# Altium PCB PCB.PcbDoc
Units mm, origin at the board's own origin, x right, y up, seen from the top; angles counter-clockwise.
Board outline 69.89 x 66.99 mm, 2 copper layers (Top Layer, Bottom Layer), stack 1.56 mm thick; 37 components, 20 nets, 112 pads, 39 vias.
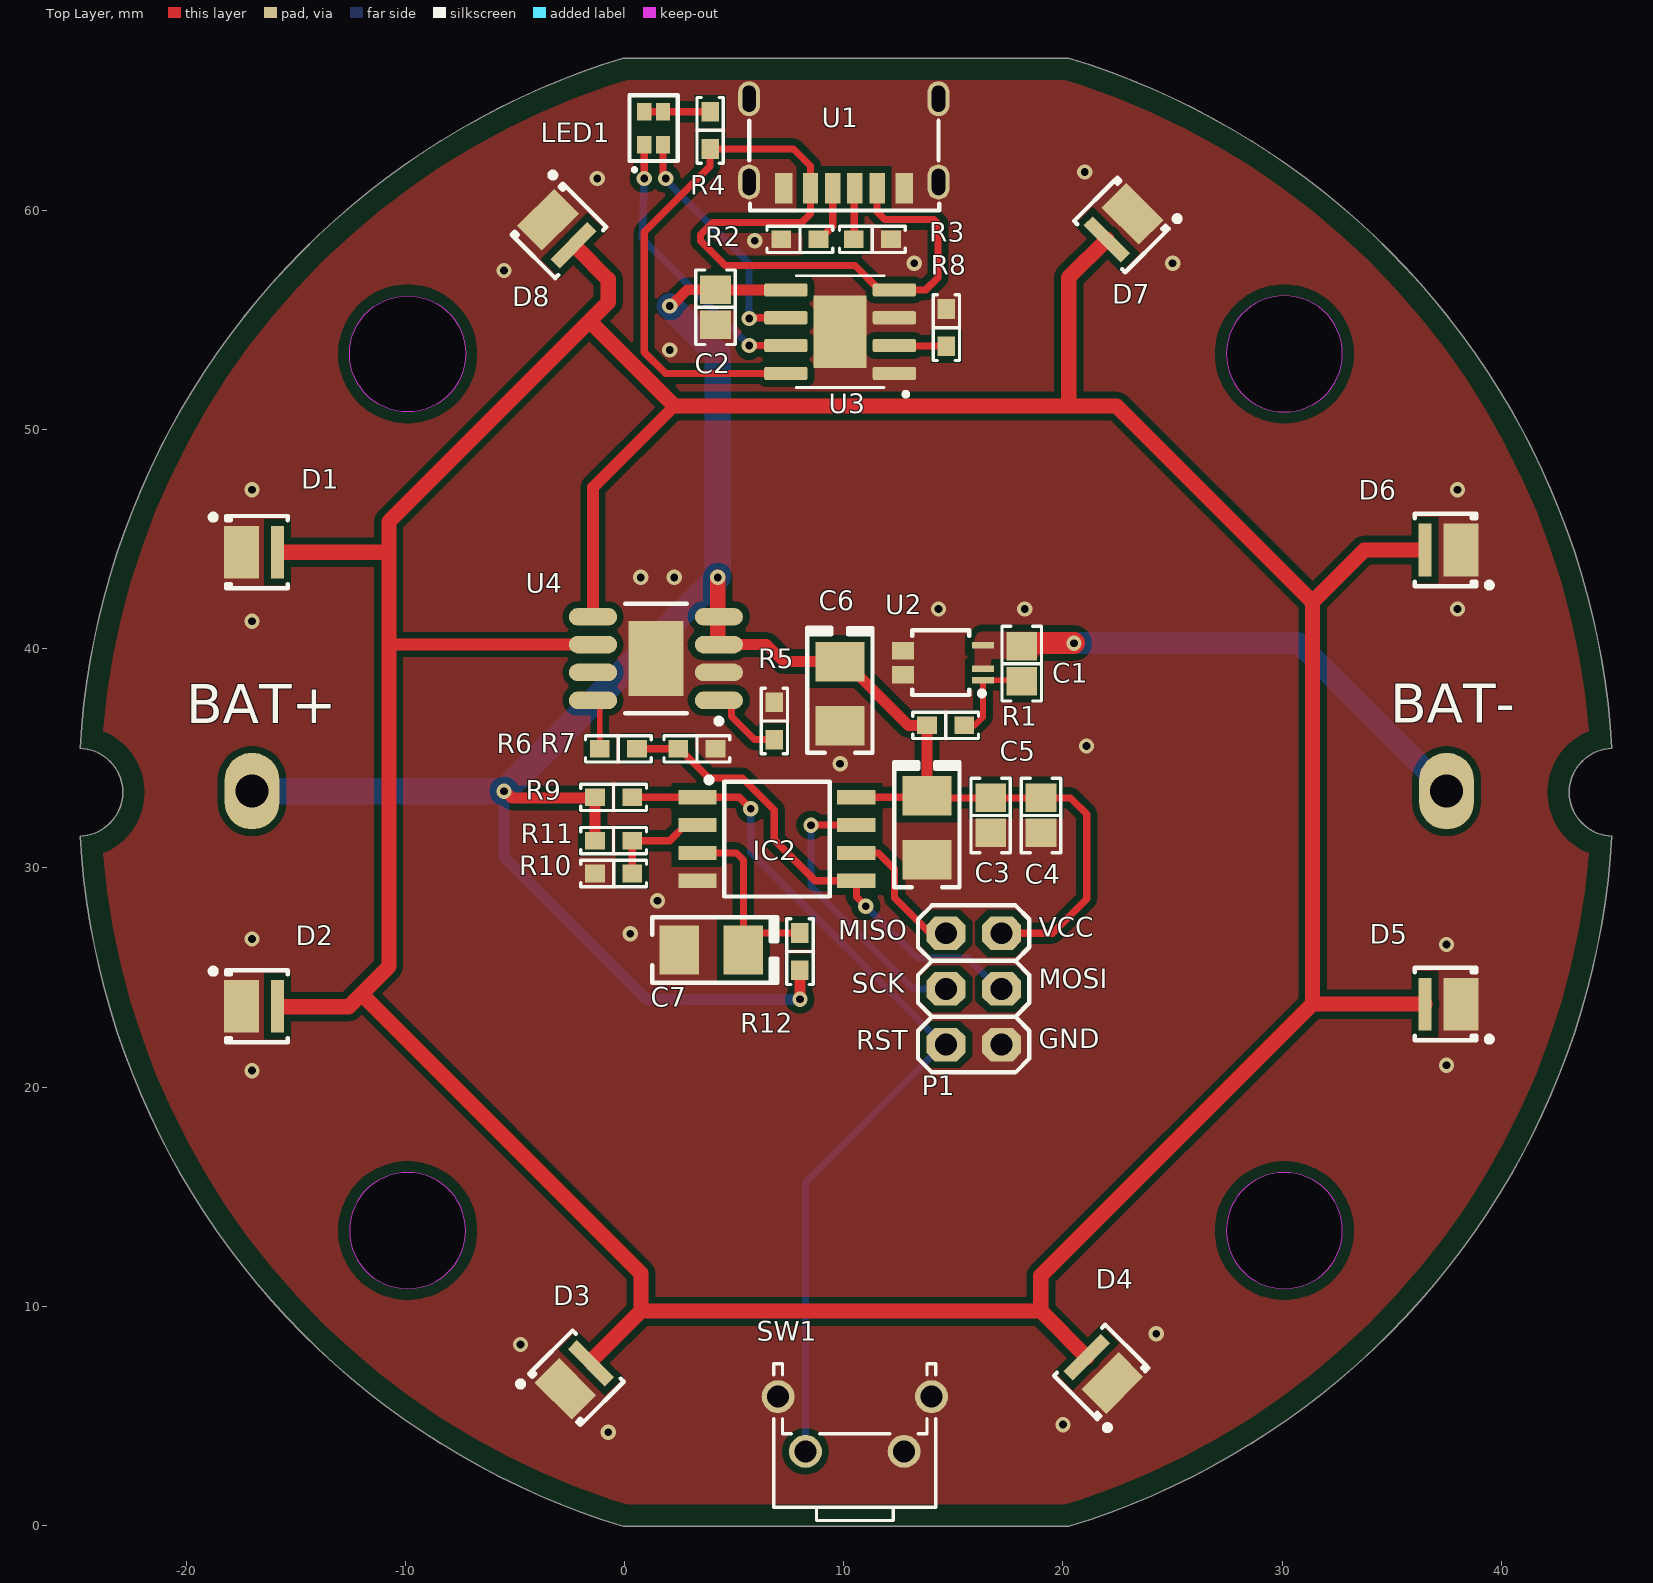
[diagram p0: Top Layer view]
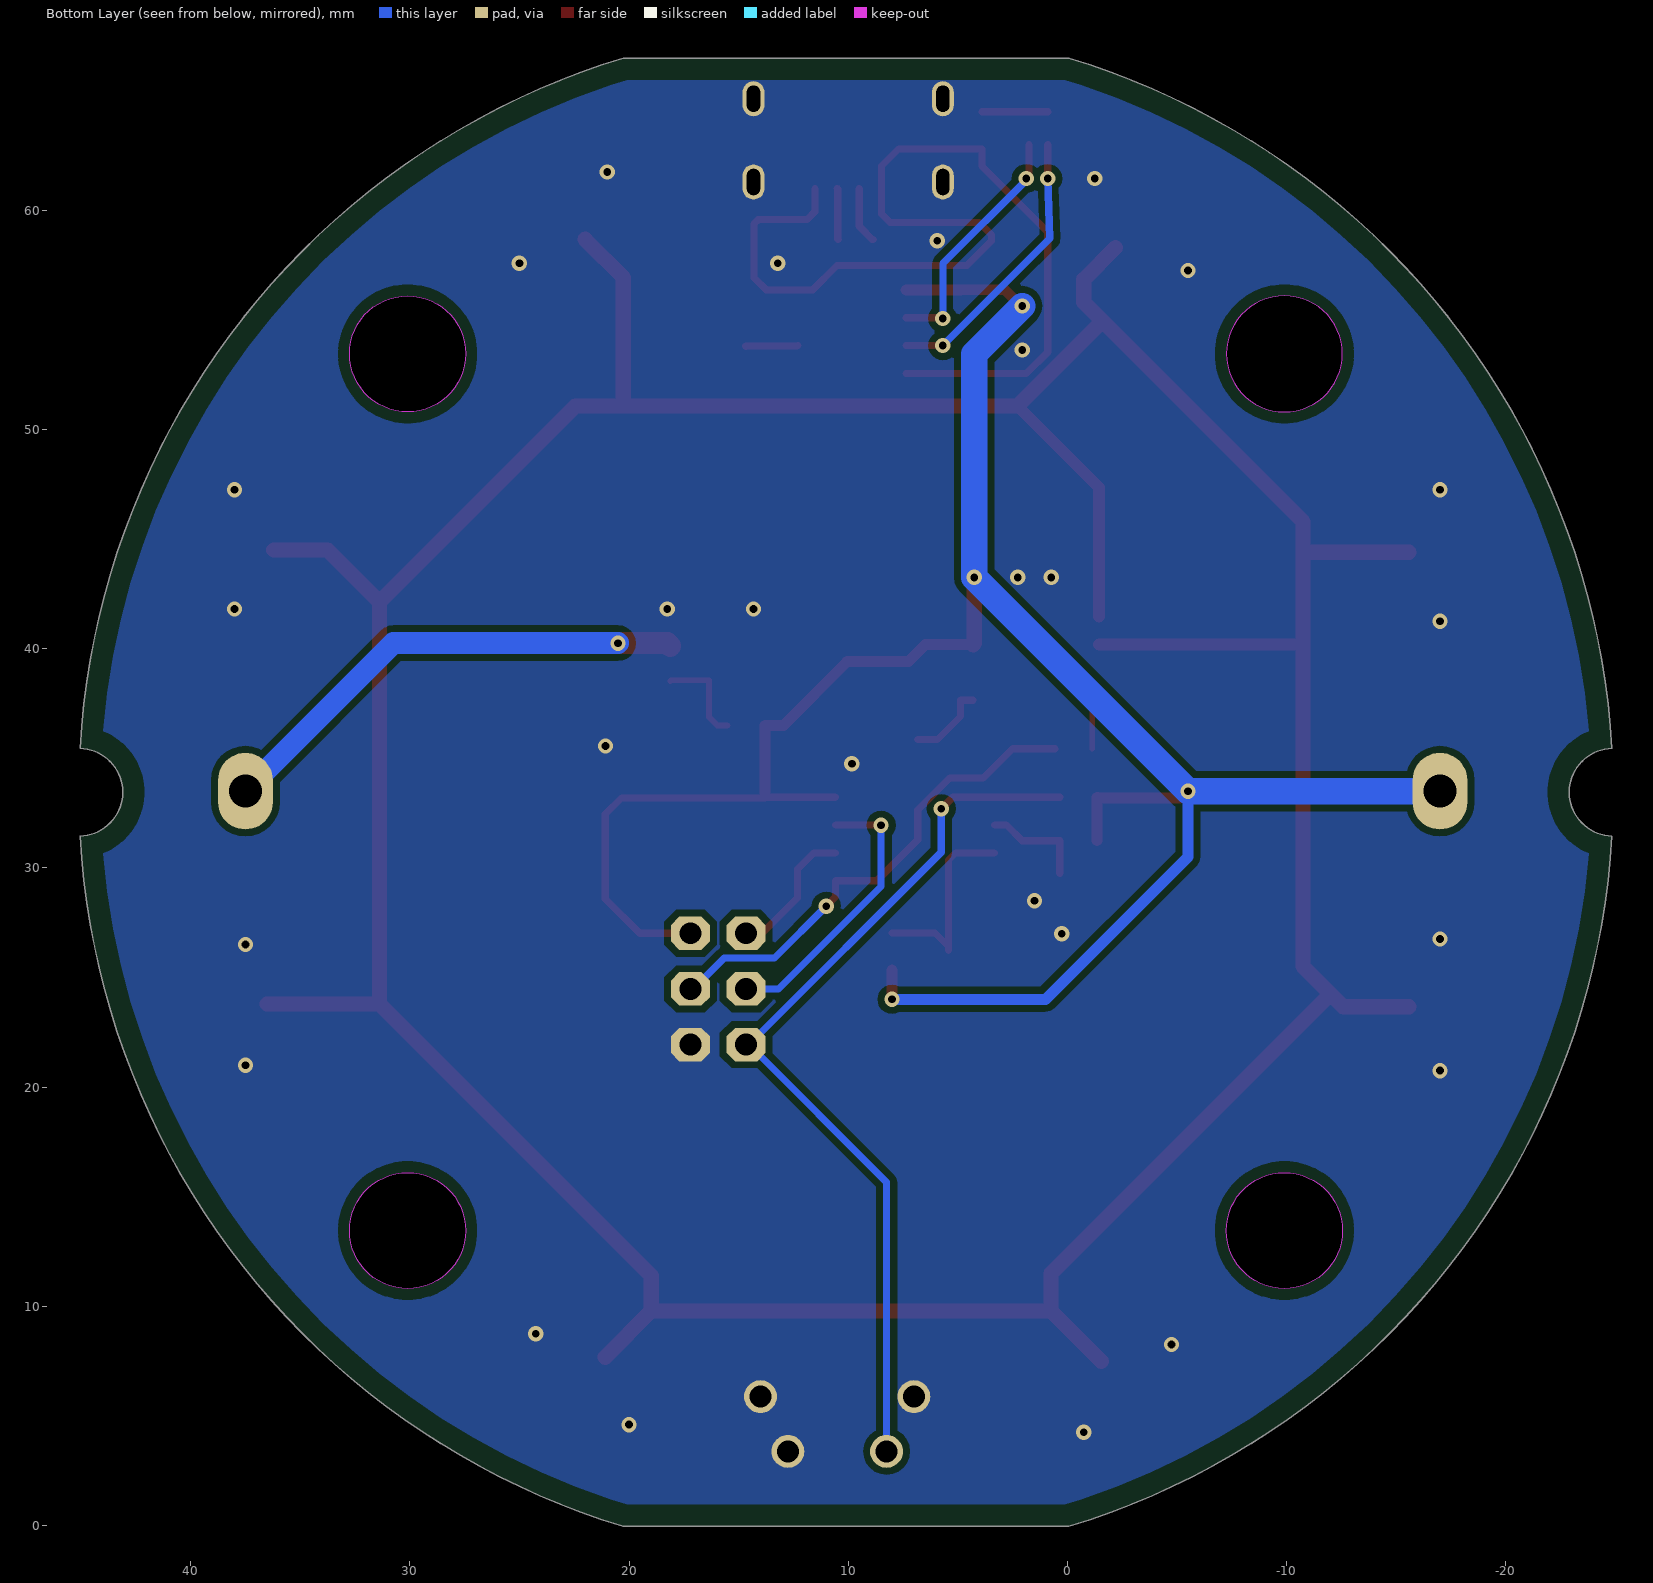
[diagram p1: Bottom Layer view, seen from below]
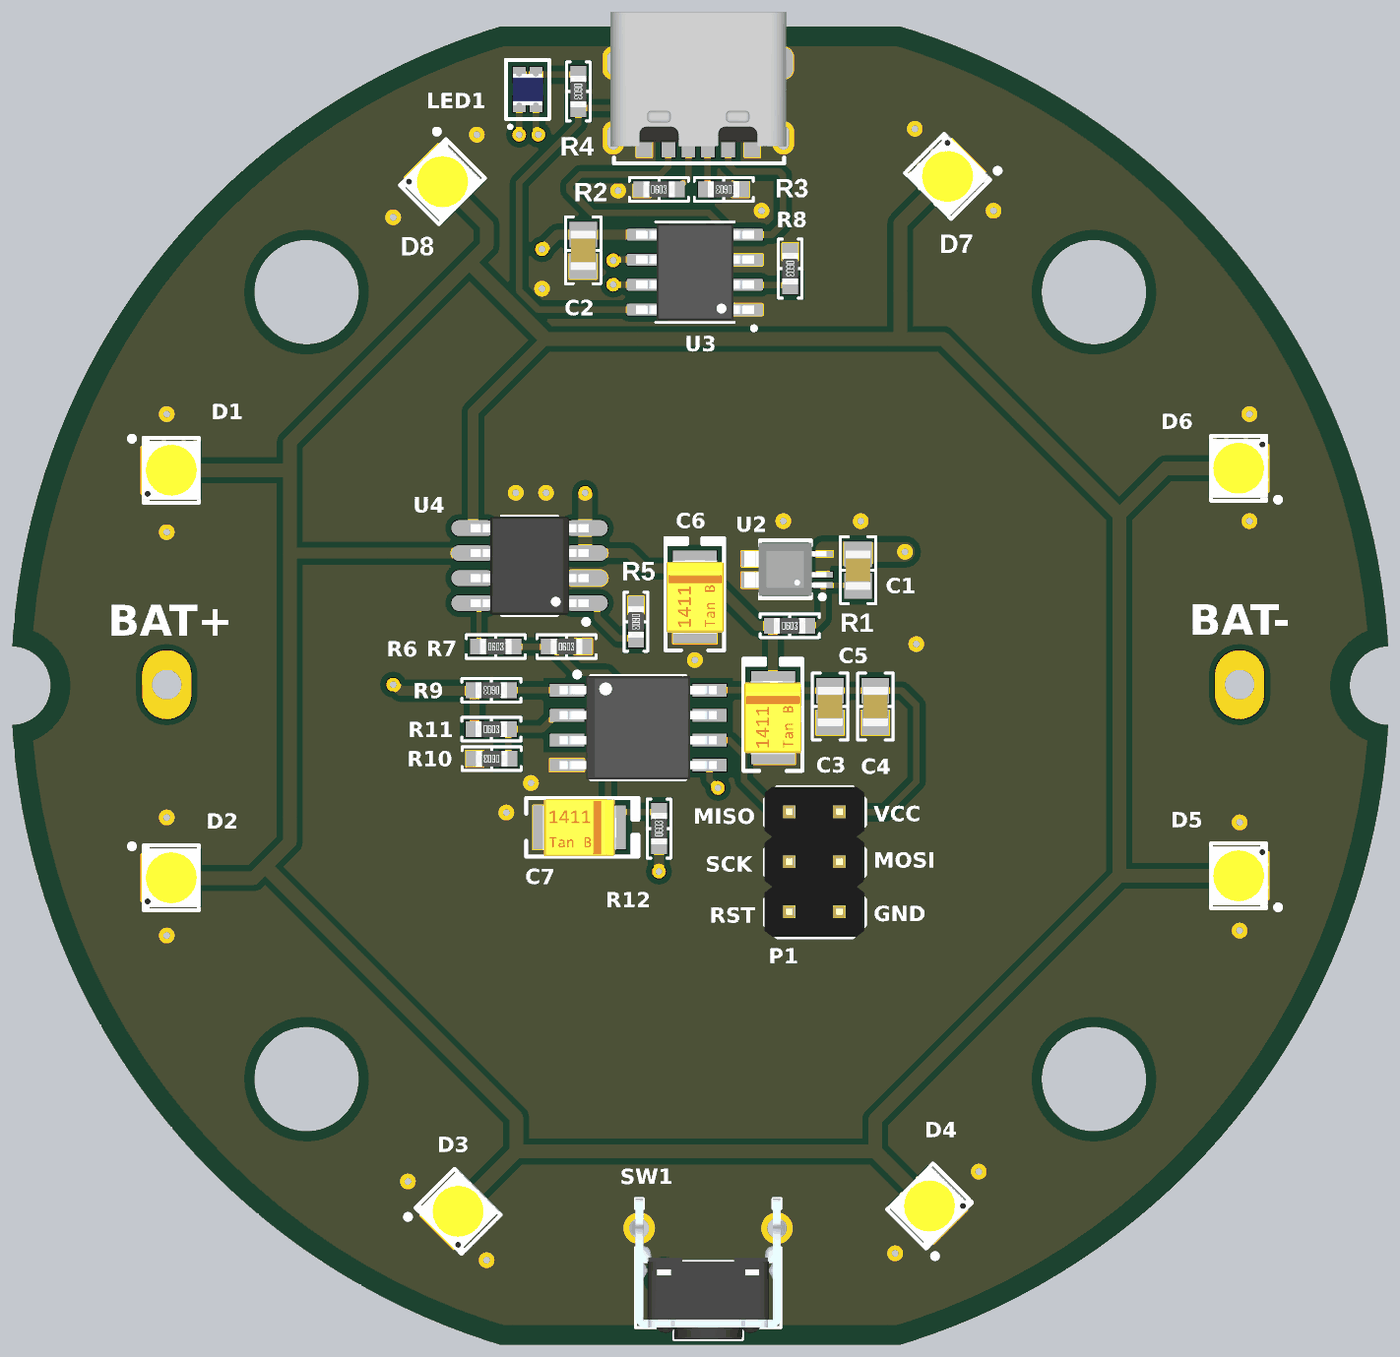
[diagram p2: 3D render of the assembled board from above, using the file's embedded part models]

## Layer stack, top to bottom
Top Solder: solder mask 0.02, Solder Resist, Dk 3.5
Top Layer: signal copper 0.03
Dielectric 1: dielectric 1.5, FR-4, Dk 4.8
Bottom Layer: signal copper 0.03
Bottom Solder: solder mask 0.02, Solder Resist, Dk 3.5

## Board outline
-0.06,-0.043 cw(c10.1,33.45) -24.843,31.45 ccw(c-24.9,33.45) -24.843,35.45 cw(c10.1,33.45) -0.06,66.943 20.26,66.943 cw(c10.1,33.45) 45.043,35.45 ccw(c45.1,33.45) 45.043,31.45 cw(c10.1,33.45) 20.26,-0.043
cut-out: 27.45,53.45 ccw(c30.1,53.45) 30.1,50.8 ccw(c30.1,53.45) 32.75,53.45 ccw(c30.1,53.45) 30.1,56.1 ccw(c30.1,53.45)
cut-out: 27.45,13.45 ccw(c30.1,13.45) 30.1,10.8 ccw(c30.1,13.45) 32.75,13.45 ccw(c30.1,13.45) 30.1,16.1 ccw(c30.1,13.45)
cut-out: -12.55,13.45 ccw(c-9.9,13.45) -9.9,10.8 ccw(c-9.9,13.45) -7.25,13.45 ccw(c-9.9,13.45) -9.9,16.1 ccw(c-9.9,13.45)
cut-out: -9.9,50.8 cw(c-9.9,53.45) -12.55,53.45 cw(c-9.9,53.45) -9.9,56.1 cw(c-9.9,53.45) -7.25,53.45 cw(c-9.9,53.45)

## Design rules (kind name [scope] priority, off if disabled: settings)
AcuteAngle [All] p1: minimum=6.00000000000000E+0001 checktracksonly=TRUE
AssemblyTestPointUsage [(not InNetClass('NOTESTPOINTS'))] p1: allowmultiple=TRUE
AssemblyTestPointUsage AssemblyTestPointUsageN [InNetClass('NOTESTPOINTS')] p2: valid=2 allowmultiple=TRUE
AssemblyTestpoint [All] p1: testpointundercomponent=TRUE minsize=0.8 maxsize=2 preferedsize=1 minholesize=0 maxholesize=0.35 preferedholesize=0 testpointgrid=1.27 usegrid=FALSE gridoriginx=87.5 gridoriginy=62.5 gridtolerance=0 allowsidetop=TRUE minspacing=2.54 // Zollner
BoardOutlineClearance BoardCopperOutlineClearance [(OnLayer('Top Layer') OR OnLayer('Bottom Layer') )] p1: gap=0.5 ignorepadtopadclearanceinfootprint=FALSE except(1: Poly-OutlineEdge Region-OutlineEdge; 1.5: SMDPad-OutlineEdge THPad-OutlineEdge)
Clearance PadToViaClearance [IsVia and not IsComponentVia vs IsPad] p1: gap=0.025 ignorepadtopadclearanceinfootprint=TRUE
Clearance "Clearance NOTSELV-SELV" [InNetClass('NOTSELV') vs NOT InNetClass('NOTSELV')] p2: gap=6 ignorepadtopadclearanceinfootprint=FALSE // according to previous calio PCB
Clearance "Clearance (FAB)" [All] p3: gap=0.203 ignorepadtopadclearanceinfootprint=TRUE except(0.305: Arc-Poly Track-Poly SMDPad-Poly THPad-Poly Via-Poly Fill-Poly Poly-Poly)
ComponentClearance ComponentClearance_NetTie [((ObjectKind = 'Component') And (ComponentType = 'Net Tie')) Or (Footprint = 'StarPoint') Or (Footprint like 'NetTieVia*')] p1: gap=-3.81 collisioncheckmode=3 verticalgap=-3.81 showdistances=FALSE
ComponentClearance [All] p2: gap=0.254 collisioncheckmode=3 verticalgap=0.254 showdistances=FALSE
DiffPairsRouting [All] p1: maxlimit=1.27 minlimit=0.203 mostfreqgap=0.203 toplayer_minwidth=0.152 toplayer_maxwidth=2.54 toplayer_prefwidth=0.254 bottomlayer_minwidth=0.152 bottomlayer_maxwidth=2.54 bottomlayer_prefwidth=0.254 maxuncoupledlength=12.7
FabricationTestPointUsage [All] p1: valid=2 allowmultiple=FALSE
FabricationTestpoint [All] p1: side=3 testpointundercomponent=TRUE minsize=1.016 maxsize=2.54 preferedsize=1.524 minholesize=0 maxholesize=1.016 preferedholesize=0.813 testpointgrid=0.025 allowsidetop=TRUE allowsidebottom=TRUE usegrid=FALSE gridtolerance=0
HoleSize [All] p1: absolutevalues=TRUE maxlimit=6.35 minlimit=0.3 maxpercent=80.000 minpercent=20.000 // Zollner
HoleToHoleClearance HoleToHoleClearance_NetTieVia [InPadClass('NetTieVias') vs InPadClass('NetTieVias')] p1: gap=0 allowstackedmicrovias=TRUE
HoleToHoleClearance [All] p2: gap=0.25 allowstackedmicrovias=TRUE // Zollner
MinimumAnnularRing [All] p1: minimumring=0.15 // PCBWAY
MinimumSolderMaskSliver [All] p1: minsoldermaskwidth=0.2 // Zollner
PlaneClearance PlaneClearance_1 [All] p1: clearance=0.508
PlaneConnect [All] p1: pad.planeconnectstyle=Relief pad.reliefexpansion=0.508 pad.reliefentries=4 pad.reliefconductorwidth=0.254 pad.reliefairgap=0.254 via.planeconnectstyle=Direct via.reliefexpansion=0.508 via.reliefentries=4 via.reliefconductorwidth=0.254 via.reliefairgap=0.254
PolygonConnect [All] p1: connectstyle=Direct reliefconductorwidth=0.254 reliefentries=4 polygonreliefangle="90 Angle" airgapwidth=0.254
RoutingVias [All] p1: holewidth=0.35 width=0.7 viastyle="Through Hole" minholewidth=0.3 minwidth=0.6 maxholewidth=1.27 maxwidth=1.27
SMDEntry [not IsTestpoint] p1: side=TRUE corner=TRUE anyangle=FALSE
SMDNeckDown [not IsTestpoint] p1: percent=90.000
SMDToCorner [All] p1: distance=10000
SMDToPlane [All] p1: distance=0
ShortCircuit [All vs not IsBoardCutoutRegion] p1: allowed=FALSE
SilkToSolderMaskClearance [IsPad] p1: minsilkscreentomaskgap=0.127 clearancetoexposedcopper=TRUE
SolderMaskExpansion [All] p1: expansion=0.05 // Zollner
SolderMaskExpansion SolderMaskExpansionToHoles [All] p2: expansion=0.1 soldermaskfromhole=TRUE // Zollner
UnRoutedNet [All] p1: checkbadconnections=TRUE
Width [All] p1: maxlimit=12.7 minlimit=0.203 preferedwidth=0.254
16 further rules are at their usual default settings.

## Components (designator, comment, footprint, x,y, rotation, side; value= is the part's Value field where it differs from the comment)
BAT+ "2.5MMx3.5MM" PAD_WITH_HOLE_2.5X3.5MM -17,33.5 r0 top (schematic designator J1)
BAT- "2.5MMx3.5MM" PAD_WITH_HOLE_2.5X3.5MM 37.5,33.5 r0 top (schematic designator J2)
C1 "0.1 µF" "CAP 0805_2012" 18.118,39.316 r270 top
C2 "10µF" "CAP 0805_2012" 4.15,55.575 r90 top
C3 "0.1 µF" "CAP 0805_2012" 16.7,32.39 r90 top
C4 "10µF" "CAP 0805_2012" 19,32.39 r90 top
C5 "100 µF" "CAP POL 1411_3528" 13.8,31.819 r270 top
C6 "100 µF" "CAP POL 1411_3528" 9.83,37.95 r270 top
C7 "100 µF" "CAP POL 1411_3528" 3.96,26.245 r180 top
D1 "MP-3030-1100-56-95" "LUMINUS MP-3030-110" -16.77,44.4 r0 top
D2 "MP-3030-1100-56-95" "LUMINUS MP-3030-110" -16.77,23.685 r0 top
D3 "MP-3030-1100-56-95" "LUMINUS MP-3030-110" -2.2,6.735 r45 top
D4 "MP-3030-1100-56-95" "LUMINUS MP-3030-110" 21.744,7.006 r135 top
D5 "MP-3030-1100-56-95" "LUMINUS MP-3030-110" 37.45,23.785 r180 top
D6 "MP-3030-1100-56-95" "LUMINUS MP-3030-110" 37.45,44.5 r180 top
D7 "MP-3030-1100-56-95" "LUMINUS MP-3030-110" 22.661,59.332 r225 top
D8 "MP-3030-1100-56-95" "LUMINUS MP-3030-110" -2.994,59.062 r315 top
IC2 "ATTINY13A-SU" SOIC127P798X216-8N 6.95,31.314 r0 top
LED1 "Bicolor 1615" "LED 0603 1615 BICOLOR" 1.325,63.75 r90 top
P1 "Header 3X2" MY_2x03 15.9,24.45 r270 top
R1 "1 kOhms" "YAGEO RES 0603_1608" 14.65,36.5 r0 top
R2 "5.1 kOhms" "YAGEO RES 0603_1608" 8,58.671 r0 top
R3 "5.1 kOhms" "YAGEO RES 0603_1608" 11.3,58.671 r180 top
R4 "1 kOhms" "YAGEO RES 0603_1608" 3.9,63.65 r270 top
R5 "9.1 kOhms" "YAGEO RES 0603_1608" 6.83,36.7 r270 top
R6 "10 kOhms" "YAGEO RES 0603_1608" 3.3,35.432 r0 top
R7 "5.1 kOhms" "YAGEO RES 0603_1608" -0.285,35.432 r0 top
R8 "1.2 kOhms" "YAGEO RES 0603_1608" 14.675,54.646 r270 top
R9 "10 kOhms" "YAGEO RES 0603_1608" -0.507,33.219 r180 top
R10 "10 kOhms" "YAGEO RES 0603_1608" -0.5,29.741 r180 top
R11 "100 kOhms" "YAGEO RES 0603_1608" -0.507,31.238 r0 top
R12 "10 kOhms" "YAGEO RES 0603_1608" 8,26.181 r90 top
SW1 "431256031716" 4312560317x6 10.5,2.5 r0 top
U1 "USB Type-C 6pin" USB_TYPE_C_6PIN 14.32,65.09 r180 top locked
U2 "XB7608A" "PCB - LEADED - XYSEMI CPC5" 14.499,39.358 r90 top
U3 "TP4056" SOP127P600X175-9N 9.83,54.464 r180 top
U4 "CN5711" "ALPHAOMEGA SO8 SOP-8L" 1.43,39.55 r180 top

## Footprints (in the part's own frame and the unit in brackets; to place one, negate y for a bottom-side part, rotate by r counter-clockwise, add the part's x,y. Pads: shape width x height; smd on the part's side, far side on the other; paste and mask are expansions set on the pad)
4312560317x6 [mm] "6x6mm right angle Tact Switch with ground terminal, THT version"
  round 1.5 hole 1: 1(-2.25,0.875) 2(2.25,0.875) G1(-3.5,3.375) G2(3.5,3.375)
  silkscreen extent -3.7,-2.27 3.7,4.87, body extent -4.2,-2.27 4.2,4.88, height 7.25
"ALPHAOMEGA SO8 SOP-8L" [mm] "SOIC, 8-Leads, Body 4.90x3.90mm, Pitch 1.27mm, IPC Medium Density"
  oval 2.2x0.8 smd: 1(-2.87,1.905) 2(-2.87,0.635) 3(-2.87,-0.635) 4(-2.87,-1.905) 5(2.87,-1.905) 6(2.87,-0.635) 7(2.87,0.635) 8(2.87,1.905)
  rect 2.513x3.402 smd: 2(0,0)
  silkscreen extent -3,-2.5 1.4,2.98, body extent -3,-2.5 3,2.5, height 1.75
"CAP 0805_2012" [mm] "Chip Capacitor, 2-Leads, Body 2.00x1.20mm, IPC Medium Density"
  rect 1.3x1.4 smd: 1(-0.8,0) 2(0.8,0)
  silkscreen extent -1.7,-0.9 1.7,0.9, body extent -1,-0.64 1,0.64, height 1.26
"CAP POL 1411_3528" [mm] "Molded Capacitor, 2-Leads, Body 3.50x2.80mm, IPC Medium Density"
  rect 1.8x2.23 smd: 1(-1.46,0) 2(1.46,0)
  silkscreen extent -3,-1.5 2.71,1.48, body extent -1.87,-1.45 1.86,1.45, height 2
"LED 0603 1615 BICOLOR" [mm] "SMD SMT Light Emitting Diode 1.6*0.8*0.6MM"
  rect 0.8x0.65 smd mask+0.05: 1(-0.75,0.425) 2(0.75,0.425) 3(-0.75,-0.425) 4(0.75,-0.425)
  silkscreen extent -1.94,-1.1 1.5,1.1, body extent -0.8,-0.75 0.8,0.75, height 0.7
"LUMINUS MP-3030-110" [mm]
  rect 0.6x2.4 smd paste-0.2: 1(0.935,0)
  rect 1.6x2.4 smd paste-0.25: 2(-0.715,0)
  Top Layer region: 1.185,-0.25 1.535,-0.25 1.535,0.25 1.185,0.25
  silkscreen extent -2.12,-1.65 1.4,1.72, body extent -1.51,-1.51 1.51,1.51, height 0.53
MY_2x03 [mil]
  oct 60x70 hole 39.37: 1(-101,-49) 2(-101,51) 3(-1,-49) 4(-1,51) 5(99,-49) 6(99,51)
  silkscreen extent -151,-99 149,101, body extent -152,-100 148,100, height 336
PAD_WITH_HOLE_2.5X3.5MM [mm]
  rrect100% 2.5x3.5 hole 1.5: 1(0,0)
"PCB - LEADED - XYSEMI CPC5" [mm] "POD-CPC5"
  rect 0.3x1 smd: 1(-0.798,-1.847) 2(-0.268,-1.847) 3(0.792,-1.847)
  rect 0.8x1 smd: 4(0.542,1.803) 5(-0.548,1.803)
  silkscreen extent -1.5,-1.9 1.47,1.37, body extent -1.35,-2.01 1.35,2.16, height 1.05
SOIC127P798X216-8N [mm]
  rect 1.75x0.65 smd: 1(-3.625,1.905) 2(-3.625,0.635) 3(-3.625,-0.635) 4(-3.625,-1.905) 5(3.625,-1.905) 6(3.625,-0.635) 7(3.625,0.635) 8(3.625,1.905)
  silkscreen extent -3.22,-2.62 2.4,2.82, body extent -3.99,-2.62 3.99,2.62, height 2.16
SOP127P600X175-9N [mm]
  rrect25% 1.97x0.6 smd: 1(-2.475,1.905) 2(-2.475,0.635) 3(-2.475,-0.635) 4(-2.475,-1.905) 5(2.475,-1.905) 6(2.475,-0.635) 7(2.475,0.635) 8(2.475,1.905)
  rect 2.413x3.302 smd paste-3: 9(0,0)
  silkscreen extent -3.1,-2.55 2,2.95, body extent -3,-2.45 3,2.45, height 1.75
USB_TYPE_C_6PIN [mm] "Power only USB Type-C 6pin"
  rect 0.7x1.4 smd: A5(3.82,4.09) A9(5.84,4.09) B5(4.82,4.09) B9(2.8,4.09)
  rect 0.8x1.4 smd: A12(7.07,4.09) B12(1.57,4.09)
  oval 1x1.6 hole 1.2 slot 0.6 at 0 deg: S(0,3.8) S(0,0) S(8.64,0) S(8.64,3.8)
  oval 1x1.6 smd: S(0,0)
  silkscreen extent -0.04,1 8.64,5.1, body extent -0.15,-2.57 8.79,4.23, height 3.21
"YAGEO RES 0603_1608" [mm] "Chip Resistor, 2-Leads, Body 1.60x0.80mm"
  rect 0.9x0.8 smd: 1(-0.85,0) 2(0.85,0)
  silkscreen extent -1.5,-0.6 1.5,0.6, body extent -0.8,-0.4 0.8,0.4, height 0.45

## Part data
BAT+ BAT-: library part PAD_WITH_HOLE_2.5X3.5MM, "High: 3mm Length: 3.5mm"
C1: library part VJ0805Y104KFAAT, "CAP CER 0.1UF 50V X7R 0805", Device Package="0805 (2012 Metric)", manufacturer="Vishay Vitramon", Operating Temperature="-55°C ~ 150°C", Supplier Part Number 1=720-1753-1-ND, Temperature Coefficient=X7R, Tolerance=±10%, Voltage - Rated=50V, Applications="General Purpose", Capacitance="0.1 µF", componentlink1description=Datasheet, componentlink1url=http://www.vishay.com/docs/45199/vjcommercialseries.pdf, componentlink2description="DigiKey Link", componentlink2url=https://www.digikey.com/en/products/detail/vishay-vitramon/VJ0805Y104KFAAT/8311061, id=199, lastupdated=2023-01-03T20:10:53.590, Lifecycle Status=Active, Minimum Order=1, Mounting Type="Surface Mount, MLCC", Package / Case="0805 (2012 Metric)", packaging=TapeAndReel, partid=3420, Part Number=VJ0805Y104KFAAT, Part Status=Active, price=0.16, series=VJ, Size / Dimension="0.079\" L x 0.049\" W (2.00mm x 1.25mm)", Supplier 1=DigiKey, Thickness (Max)="0.057\" (1.45mm)"
C2 C4: library part 08056D106KAT2A, "CAP CER 10UF 6.3V X5R 0805", Device Package="0805 (2012 Metric)", manufacturer="AVX Corporation", Operating Temperature="-55°C ~ 85°C", Supplier Part Number 1=478-1417-1-ND, Temperature Coefficient=X5R, Tolerance=±10%, Voltage - Rated=6.3V, Applications="General Purpose", Capacitance=10µF, componentlink1description=Datasheet, componentlink1url=http://datasheets.avx.com/cx5r.pdf, componentlink2description="DigiKey Link", componentlink2url=http://digikey.com/product-detail/en/avx-corporation/08056D106KAT2A/478-1417-1-ND/564449, id=127, lastupdated=2020-09-02T01:04:40.460, Lifecycle Status=Active, Minimum Order=1, Mounting Type="Surface Mount, MLCC", Package / Case="0805 (2012 Metric)", packaging=TapeAndReel, partid=3135, Part Number=08056D106KAT2A, Part Status=Active, price=0.04, series=-, Size / Dimension="0.079\" L x 0.049\" W (2.01mm x 1.25mm)", Supplier 1=DigiKey, Thickness (Max)="0.055\" (1.40mm)"
C3: library part CC0805MRX7R9BB104, "CAP CER 0.1UF 50V X7R 0805", Device Package="0805 (2012 Metric)", manufacturer=Yageo, Operating Temperature="-55°C ~ 125°C", Supplier Part Number 1=311-4351-1-ND, Temperature Coefficient=X7R, Tolerance=±20%, Voltage - Rated=50V, Applications="General Purpose", Capacitance="0.1 µF", componentlink1description=Datasheet, componentlink1url=https://www.yageo.com/upload/media/product/productsearch/datasheet/mlcc/UPY-GPHC_X7R_6.3V-to-50V_18.pdf, componentlink2description="DigiKey Link", componentlink2url=https://www.digikey.com/en/products/detail/yageo/CC0805MRX7R9BB104/5884281, id=18, lastupdated=2023-01-03T20:10:55.763, Lifecycle Status=Active, Minimum Order=1, Mounting Type="Surface Mount, MLCC", Package / Case="0805 (2012 Metric)", packaging=TapeAndReel, partid=2475, Part Number=CC0805MRX7R9BB104, Part Status=Active, price=0.02, series=CC, Size / Dimension="0.079\" L x 0.049\" W (2.00mm x 1.25mm)", Supplier 1=DigiKey, Thickness (Max)="0.037\" (0.95mm)"
C5 C6 C7: library part T494B107M006AT, "CAP TANT 100UF 20% 6.3V 1411", Device Package="1411 (3528 Metric)", Esr (Equivalent Series Resistance)=1.5Ohm, Lifetime @ Temp.="2000 Hrs @ 125°C", manufacturer=KEMET, Manufacturer Size Code=B, Operating Temperature="-55°C ~ 125°C", Supplier Part Number 1=399-3833-1-ND, Tolerance=±20%, Voltage - Rated="6.3 V", Capacitance="100 µF", componentlink1description=Datasheet, componentlink1url=https://api.kemet.com/component-edge/download/datasheet/T494B107M006AT.pdf, componentlink2description="DigiKey Link", componentlink2url=https://www.digikey.com/en/products/detail/kemet/T494B107M006AT/818693, Features="General Purpose", Height - Seated (Max)="0.083\" (2.10mm)", id=7, lastupdated=2023-01-02T20:45:23.773, Lifecycle Status=Active, Minimum Order=1, Mounting Type="Surface Mount", Package / Case="1411 (3528 Metric)", packaging=TapeAndReel, partid=7, Part Number=T494B107M006AT, Part Status=Active, price=0.51, series=T494, Size / Dimension="0.138\" L x 0.110\" W (3.50mm x 2.80mm)", Supplier 1=DigiKey, Type=Molded
D1 D2 D3 D4 D5 D6 D7 D8: "LED MID PWR 5600K 95CRI 3030", Color="White, Cool", Cri (Color Rendering Index)=95, Current - Max=240mA, Current - Test=150mA, Device Package="1212 (3030 Metric)", Flux @ 25°C, Current - Test="60lm (Typ)", Lumens/Watt @ Current - Test="133 lm/W", manufacturer="Luminus Devices Inc.", Supplier Device Package=3030, Supplier Part Number 1=1214-1348-1-ND, Voltage - Forward (Vf) (Typ)=3V, Cct (K)=5600K, componentlink1description=Datasheet, componentlink1url=https://download.luminus.com/datasheets/Luminus_MP3030_1100_Datasheet.pdf, componentlink2description="DigiKey Link", componentlink2url=https://www.digikey.com/en/products/detail/luminus-devices-inc/MP-3030-1100-56-95/5731697, Height - Seated (Max)="0.020\" (0.52mm)", id=1, lastupdated=2023-01-02T21:00:00.490, Lifecycle Status=Active, Minimum Order=1, Mounting Type="Surface Mount", Package / Case="1212 (3030 Metric)", packaging=TapeAndReel, partid=1, Part Number=MP-3030-1100-56-95, Part Status=Active, price=0.05, series=MP-3030, Size / Dimension="0.118\" L x 0.118\" W (3.00mm x 3.00mm)", Supplier 1=DigiKey, Viewing Angle=110°
IC2: "AVR AVRA® ATtiny Microcontroller IC 8-Bit 20MHz 1KB (512 x 16) FLASH 8-SOIC", Package="SOIC-8 Microchip", Check_prices=https://www.snapeda.com/parts/ATTINY13A-SU/Microchip/view-part/?ref=eda, MF=Microchip, MP=ATTINY13A-SU, SnapEDA_Link=https://www.snapeda.com/parts/ATTINY13A-SU/Microchip/view-part/?ref=snap
LED1: library part "LED 0603 1615", "SMD SMT Light Emitting Diode 1.6*0.8*0.6MM", componentlink1description=Aliexpress, componentlink1url=https://www.aliexpress.com/item/4001174921701.html?spm=a2g0o.order_list.0.0.12d31802vfu5Sp
P1: "Header, 6-Pin, Dual row", ASiD Part Number="Header 3X2-AS"
R1 R4: library part RC0603FR-131KP, "RES 1K OHM 1% 1/10W 0603", Device Package="0603 (1608 Metric)", manufacturer=Yageo, Operating Temperature="-55°C ~ 155°C", Power (Watts)="0.1W, 1/10W", Ratings="7C1 RoHS w/out Exemption (100% Pb-Free)", Supplier Device Package=0603, Supplier Part Number 1=13-RC0603FR-131KPCT-ND, Temperature Coefficient=±100ppm/°C, Tolerance=±1%, componentlink1description=Datasheet, componentlink1url=https://www.yageo.com/upload/media/product/productsearch/datasheet/rchip/PYu-RC_51_RoHS_P_5.pdf, componentlink2description="DigiKey Link", componentlink2url=https://www.digikey.com/en/products/detail/yageo/RC0603FR-131KP/17024834, Composition="Thick Film", Height - Seated (Max)="0.022\" (0.55mm)", id=22669, lastupdated=2024-07-25T09:18:59.533, Lifecycle Status=Active, Minimum Order=1, Number of Terminations=2, Package / Case="0603 (1608 Metric)", packaging=CutTape, partid=87260, Part Number=RC0603FR-131KP, price=0.01, Resistance="1 kOhms", series=RC_P, Size / Dimension="0.063\" L x 0.031\" W (1.60mm x 0.80mm)", Supplier 1=DigiKey
R2 R3 R7: library part AR0603JR-075K1L, "RES 5.1K OHM 5% 1/10W 0603", Device Package="0603 (1608 Metric)", manufacturer=Yageo, Operating Temperature="-55°C ~ 155°C", Power (Watts)="0.1W, 1/10W", Supplier Device Package=0603, Supplier Part Number 1=13-AR0603JR-075K1LCT-ND, Temperature Coefficient=±100ppm/°C, Tolerance=±5%, componentlink1description=Datasheet, componentlink1url=https://www.yageo.com/upload/media/product/app/datasheet/rchip/pyu-ar_51_rohs_l.pdf, componentlink2description="DigiKey Link", componentlink2url=https://www.digikey.com/en/products/detail/yageo/AR0603JR-075K1L/16992068, Composition="Thick Film", Features="Moisture Resistant", Height - Seated (Max)="0.022\" (0.55mm)", id=22469, lastupdated=2024-07-25T09:18:57.220, Lifecycle Status=Active, Minimum Order=1, Number of Terminations=2, Package / Case="0603 (1608 Metric)", packaging=TapeAndReel, partid=87060, Part Number=AR0603JR-075K1L, price=0.03, Resistance="5.1 kOhms", series=AR, Size / Dimension="0.063\" L x 0.031\" W (1.60mm x 0.80mm)", Supplier 1=DigiKey
R5: library part RT0603BRC079K1L, "RES SMD 9.1K OHM 0.1% 1/10W 0603", Device Package="0603 (1608 Metric)", manufacturer=Yageo, Operating Temperature="-55°C ~ 155°C", Power (Watts)="0.1W, 1/10W", Supplier Device Package=0603, Supplier Part Number 1=13-RT0603BRC079K1LCT-ND, Temperature Coefficient=±15ppm/°C, Tolerance=±0.1%, componentlink1description=Datasheet, componentlink1url=https://www.yageo.com/upload/media/product/app/datasheet/rchip/pyu-rt_1-to-0.01_rohs_l.pdf, componentlink2description="DigiKey Link", componentlink2url=https://www.digikey.com/en/products/detail/yageo/RT0603BRC079K1L/5927880, Composition="Thin Film", Height - Seated (Max)="0.022\" (0.55mm)", id=22557, lastupdated=2024-07-25T09:18:58.140, Lifecycle Status=Active, Minimum Order=1, Number of Terminations=2, Package / Case="0603 (1608 Metric)", packaging=TapeAndReel, partid=87148, Part Number=RT0603BRC079K1L, price=0.11, Resistance="9.1 kOhms", series=RT, Size / Dimension="0.063\" L x 0.031\" W (1.60mm x 0.80mm)", Supplier 1=DigiKey
R6 R9 R10 R12: library part RC0603FR-1310KP, "RES 10K OHM 1% 1/10W 0603", Device Package="0603 (1608 Metric)", manufacturer=Yageo, Operating Temperature="-55°C ~ 155°C", Power (Watts)="0.1W, 1/10W", Ratings="7C1 RoHS w/out Exemption (100% Pb-Free)", Supplier Device Package=0603, Supplier Part Number 1=13-RC0603FR-1310KPCT-ND, Temperature Coefficient=±100ppm/°C, Tolerance=±1%, componentlink1description=Datasheet, componentlink1url=https://www.yageo.com/upload/media/product/productsearch/datasheet/rchip/PYu-RC_51_RoHS_P_5.pdf, componentlink2description="DigiKey Link", componentlink2url=https://www.digikey.com/en/products/detail/yageo/RC0603FR-1310KP/17014313, Composition="Thick Film", Height - Seated (Max)="0.022\" (0.55mm)", id=22702, lastupdated=2024-07-25T09:18:59.747, Lifecycle Status=Active, Minimum Order=1, Number of Terminations=2, Package / Case="0603 (1608 Metric)", packaging=CutTape, partid=87293, Part Number=RC0603FR-1310KP, price=0.01, Resistance="10 kOhms", series=RC_P, Size / Dimension="0.063\" L x 0.031\" W (1.60mm x 0.80mm)", Supplier 1=DigiKey
R8: library part AA0603FR-071K2L, "RES SMD 1.2K OHM 1% 1/10W 0603", Device Package="0603 (1608 Metric)", manufacturer=Yageo, Operating Temperature="-55°C ~ 155°C", Power (Watts)="0.1W, 1/10W", Ratings=AEC-Q200, Supplier Device Package=0603, Supplier Part Number 1=13-AA0603FR-071K2LCT-ND, Temperature Coefficient=±150ppm/°C, Tolerance=±1%, componentlink1description=Datasheet, componentlink1url=https://www.yageo.com/upload/media/product/app/datasheet/rchip/pyu-aa_51_rohs_l.pdf, componentlink2description="DigiKey Link", componentlink2url=https://www.digikey.com/en/products/detail/yageo/AA0603FR-071K2L/5888826, Composition="Thick Film", Features="Anti-Sulfur, Automotive AEC-Q200, Moisture Resistant", Height - Seated (Max)="0.022\" (0.55mm)", id=22475, lastupdated=2024-07-25T09:18:57.283, Lifecycle Status=Active, Minimum Order=1, Number of Terminations=2, Package / Case="0603 (1608 Metric)", packaging=TapeAndReel, partid=87066, Part Number=AA0603FR-071K2L, price=0.01, Resistance="1.2 kOhms", series=AA, Size / Dimension="0.063\" L x 0.031\" W (1.60mm x 0.80mm)", Supplier 1=DigiKey
R11: library part RT0603BRD13100KL, "RES 100K OHM 0.1% 1/10W 0603", Device Package="0603 (1608 Metric)", manufacturer=Yageo, Operating Temperature="-55°C ~ 155°C", Power (Watts)="0.1W, 1/10W", Supplier Device Package=0603, Supplier Part Number 1=13-RT0603BRD13100KLCT-ND, Temperature Coefficient=±25ppm/°C, Tolerance=±0.1%, componentlink1description=Datasheet, componentlink1url=https://www.yageo.com/upload/media/product/app/datasheet/rchip/pyu-rt_1-to-0.01_rohs_l.pdf, componentlink2description="DigiKey Link", componentlink2url=https://www.digikey.com/en/products/detail/yageo/RT0603BRD13100KL/17021572, Composition="Thin Film", Features="Moisture Resistant", Height - Seated (Max)="0.022\" (0.55mm)", id=22698, lastupdated=2024-07-25T09:18:59.723, Lifecycle Status=Active, Minimum Order=1, Number of Terminations=2, Package / Case="0603 (1608 Metric)", packaging=TapeAndReel, partid=87289, Part Number=RT0603BRD13100KL, price=0.03, Resistance="100 kOhms", series=RT, Size / Dimension="0.063\" L x 0.031\" W (1.60mm x 0.80mm)", Supplier 1=DigiKey
SW1: "WS-TATU THT Tact Switch 6x6mm Right Angled Type with ground terminal, SPST-NO, 12VDC, 50mA, 160g", manufacturer="Wurth Elektronik", Operating Temperature Max=85°C, Operating Temperature Min=-40°C, Rated Current=50mA, Rated Voltage=12VDC, Category="Tact Switches", Circuit=SPST-NO, componentlink1description="Website Link", componentlink1url=https://www.we-online.com/redexpert/article/431256031716?ad, componentlink2description="Datasheet Link", componentlink2url=https://www.we-online.com/redexpert/spec/431256031716?ad, Contact Material="Stainless Steel", Contact Plating=Silver, Height=3.15mm, Length=6mm, Manufacturer Part Number=431256031716, Match Code=WS-TATU, Mount="Through Hole", Operation Force=160g, packaging=Bulk, Terminal Material="Copper Alloy", Terminal Plating=Silver, Washable=No, Width=6mm
U1: library part USB_3_TYPE_C, "Power only USB Type-C 3.0"
U2: "CPC-5 Battery Management IC"
U3: "Complete single cell Li-Ion battery with a constant current / constant voltage linear charger", Package=Package, Availability="Not in stock", Check_prices=https://www.snapeda.com/parts/TP4056/NanJing+Top+Power+ASIC+Corp./view-part/?ref=eda, MF="NanJing Top Power ASIC Corp.", MP=TP4056, price=None, SnapEDA_Link=https://www.snapeda.com/parts/TP4056/NanJing+Top+Power+ASIC+Corp./view-part/?ref=snap
U4: library part "IC CN5711 8SOP", "Current regulation integrated circuit / operating from an input voltage of 2.8V to 6V, the / constant output current can be set up to 1.5A"

## Via types
v1: diameter 0.7, hole 0.35, Top Layer to Bottom Layer, 39 vias

## Nets (pads, with @x,y where several pads share a name; then routed paths per layer and width w, separated by ;. In a path a pad name is that pad's centre, name@x,y a point inside that pad or via, vN(x,y) a via of type N, cw(c..) or ccw(c..) an arc to the next point about the centre after c; other vN are vias at no path point)
5V: R4.2 U1.A9 U1.B9 U3.4 U3.8 | length 48.7
  Top Layer w0.33: U3.8 1.87,52.559 0.9,53.529 0.9,59.007 3.9,62.007 R4.2 7.7,62.8 8.48,62.02 U1.A9 8.48,59.838 8.081,59.439 4.018,59.439 3.462,58.883 3.462,58.609 4.591,57.48 10.509,57.48 11.62,56.369 U3.4 13.741,56.369 14.296,56.925 14.296,59.38 14.103,59.574 11.884,59.574 11.52,59.938 U1.B9
BAT+: BAT+.1 C2.2 C3.2 C4.2 C5.1 C6.1 IC2.8 P1.2 R1.1 R9.2 R11.1 R12.1 U3.5 U4.3 U4.4 | length 107.6
  Top Layer w0.33: IC2.8 13.74,33.219 C5.1 13.889,33.19 C3.2 C4.2 20.345,33.19 21.083,32.452 21.083,28.583 19.515,27.015 P1.2
  Top Layer w0.5: v1(-5.5,33.5) -5.446,33.5 -5.136,33.19 -1.436,33.19 -1.407,33.219 R9.2 R11.1 ; v1(2.063,55.633) 2.117,55.633 2.859,56.375 C2.2 4.876,56.375 4.876,56.369 U3.5 ; U4.3 6.474,40.185 7.249,39.41 C6.1 10.045,39.41 12.955,36.5 R1.1 C5.1 ; v1(8,24) R12.1
  Top Layer w0.7: v1(4.25,43.25) 4.25,40.235 U4.3
  Bottom Layer w0.5: v1(-5.5,33.5) -5.5,30.5 1,24 v1(8,24)
  Bottom Layer w1.2: BAT+.1 v1(-5.5,33.5) v1(4.25,43.25) 4.25,53.447 v1(2.063,55.633)
BAT-: BAT-.1 C1.1 U2.2 U2.3 | length 22.3
  Top Layer w1: C1.1 18.251,40.25 v1(20.5,40.25)
  Bottom Layer w1: v1(20.5,40.25) 30.75,40.25 36.713,34.287 36.807,34.287 37.5,33.594 BAT-.1
CHRG: LED1.1 U3.7 | length 12.9
  Top Layer w0.33: v1(0.9,61.45) LED1.1 ; v1(5.68,53.829) U3.7
  Bottom Layer w0.33: v1(0.9,61.45) 0.8,58.709 v1(5.68,53.829)
GND: C2.1 C3.1 C4.1 C5.2 C6.2 C7.2 D1.2 D2.2 D3.2 D4.2 D5.2 D6.2 D7.2 D8.2 IC2.4 P1.6 R2.1 R3.1 R5.1 R6.2 R8.1 R10.2 SW1.2 SW1.G1 SW1.G2 U1.A12 U1.B12 U1.S U2.4 U2.5 U3.1 U3.3 U3.9 U4.2
  other v1: -0.75,4.25 20,4.599 -4.75,8.25 24.25,8.75 -17,20.75 37.5,21 37.5,26.5 -17,26.75 0.25,27 1.5,28.5 9.83,34.75 21.074,35.562 -17,41.25 14.32,41.81 18.251,41.81 38,41.81 0.729,43.25 2.268,43.25 -17,47.25 38,47.25 2.063,53.624 -5.5,57.25 13.215,57.586 25,57.586 5.93,58.609 -1.25,61.45 21,61.75
LED_BUTTON: IC2.1 P1.5 R9.1 SW1.1 | length 41.3
  Top Layer w0.33: R9.1 IC2.1 5.23,33.219 v1(5.75,32.699)
  Bottom Layer w0.33: v1(5.75,32.699) 5.75,30.714 P1.5@14.528,21.935 ; SW1.1 8.25,15.657 P1.5@14.528,21.935 ; P1.5 P1.5@14.528,21.935
LED_LIGHT: IC2.5 P1.4 R6.1 R7.2 | length 22.4
  Top Layer w0.33: R7.2 R6.1 2.5,35.432 3.835,34.097 5.368,34.097 6.83,32.635 6.83,31.279 8.7,29.409 IC2.5 10.575,28.675 v1(11,28.25)
  Bottom Layer w0.33: v1(11,28.25) 13.365,25.885 15.659,25.885 17.068,24.475 P1.4
MISO: IC2.6 P1.1 | length 6.4
  Top Layer w0.33: IC2.6 11.571,30.679 12.317,29.933 12.317,28.63 13.931,27.015 P1.1
NetC1_2: C1.2 R1.2 U2.1 | length 4.5
  Top Layer w0.27: R1.2 15.975,36.5 16.346,36.871 U2.1 18.074,38.56 C1.2
NetD1_1: D1.1 D2.1 D3.1 D4.1 D5.1 D6.1 D7.1 D8.1 U4.5 U4.6 | length 207.7
  Top Layer w0.54: -10.754,40.185 U4.6 ; U4.5 -1.44,47.36 2.268,51.068
  Top Layer w0.7: D2.1@-15.585,23.67 -12.58,23.67 -12,24.25 ; D1.1@-15.585,44.4 -10.754,44.4 ; D8.1@-2.193,58.296 -0.75,56.853 -0.75,55.804 -10.754,45.8 -10.754,44.4 ; -1.609,54.945 2.268,51.068 20.345,51.068 ; D3.1@-1.539,7.49 0.75,9.779 ; D4.1 21.083,7.685 18.989,9.779 ; D7.1 20.26,56.931 20.26,51.153 20.345,51.068 ; 36.201,44.5 33.75,44.5 31.384,42.134 ; D5.1 31.384,23.785 ; -12,24.25 0.75,11.5 0.75,9.779 ; -12,24.25 -10.754,25.496 -10.754,40.185 -10.754,44.4 ; 0.75,9.779 18.989,9.779 ; 18.989,9.779 18.989,11.39 31.384,23.785 ; 20.345,51.068 22.449,51.068 31.384,42.134 ; 31.384,23.785 31.384,42.134
NetLED1_2: LED1.2 LED1.4 R4.1 | length 3
  Top Layer w0.33: LED1.2 LED1.4 R4.1
NetR2_2: R2.2 U1.B5 | length 2.6
  Top Layer w0.33: R2.2 8.9,58.671 9.5,59.271 U1.B5
NetR3_2: R3.2 U1.A5 | length 2.3
  Top Layer w0.33: R3.2 10.475,58.696 10.475,60.405 10.475,60.975 U1.A5
NetR5_2: R5.2 U4.1 | length 3.7
  Top Layer w0.33: U4.1 4.873,37.645 4.873,36.907 5.93,35.85 R5.2
NetR7_1: R7.1 U4.8 | length 2.4
  Top Layer w0.254: U4.8 -1.388,37.645 -1.135,37.393 R7.1
NetR8_2: R8.2 U3.2 | length 2.4
  Top Layer w0.33: U3.2 12.322,53.812 14.658,53.812 R8.2
POWER_ON_SENSE: C7.1 IC2.3 R12.2 | length 9.2
  Top Layer w0.33: IC2.3 5.1,30.679 5.42,30.359 C7.1@5.42,26.411 ; C7.1 C7.1@5.42,26.411 ; R12.2 6.04,27.031 C7.1@5.42,26.411
SCK: IC2.7 P1.3 | length 13
  Top Layer w0.33: v1(8.5,31.949) IC2.7
  Bottom Layer w0.33: v1(8.5,31.949) 8.5,29.15 13.175,24.475 P1.3
STDBY: LED1.3 U3.6 | length 11.3
  Top Layer w0.33: LED1.3 1.75,61.5 1.8,61.45 v1(1.875,61.45) ; v1(5.68,55.063) 5.716,55.099 U3.6
  Bottom Layer w0.33: v1(1.875,61.45) 1.875,61.375 5.68,57.57 v1(5.68,55.063)
VOLTAGE_SENSE: IC2.2 R10.1 R11.2 | length 4.8
  Top Layer w0.33: R10.1 0.343,29.748 R11.2 2.063,31.238 2.775,31.949 IC2.2
pads on no net: U4.7

## Polygon pours and split planes (outlines as drawn)
GND on Bottom Layer "GND_L02_P012" (solid, pour order 12): -0.06,-0.043 cw(c10.1,33.45) -24.843,31.45 ccw(c-24.9,33.45) -24.843,35.45 cw(c10.1,33.45) -0.06,66.943 20.26,66.943 cw(c10.1,33.45) 45.043,35.45 ccw(c45.1,33.45) 45.043,31.45 cw(c10.1,33.45) 20.26,-0.043
GND on Top Layer "GND_L01_P027" (solid, pour order 27): -0.06,-0.043 cw(c10.1,33.45) -24.843,31.45 ccw(c-24.9,33.45) -24.843,35.45 cw(c10.1,33.45) -0.06,66.943 20.26,66.943 cw(c10.1,33.45) 45.043,35.45 ccw(c45.1,33.45) 45.043,31.45 cw(c10.1,33.45) 20.26,-0.043
BAT- on Top Layer "BAT-_L01_P024" (solid, remove dead copper, pour order 24): 15.975,40.4 15.975,38.95 16.7,38.95 16.7,39.41 cw(c16.84,39.41) 16.84,39.55 18.6,39.55 ccw(c18.6,39.95) 19,39.95 19,40.525 ccw(c18.75,40.525) 18.75,40.775 16.35,40.775 ccw(c16.35,40.4)

## Silkscreen, mask and mechanical layers (free items; w line width, h text height)
Top Overlay:
  text "VCC" at 18.902,26.559 h1.52
  text "MISO" at 9.75,26.428 h1.52
  text "MOSI" at 18.902,24.204 h1.52
  text "SCK" at 10.362,24 h1.52
  text "GND" at 18.902,21.483 h1.52
  text "RST" at 10.575,21.402 h1.52
Board outline:
  circle w0.013: c30.1,53.45 r2.65
  circle w0.013: c-9.9,13.45 r2.65
  circle w0.013: c-9.9,53.45 r2.65
  circle w0.013: c30.1,13.45 r2.65
  lines w0.013: -24.843,31.45 ccw(c-24.9,33.45) -24.843,35.45 cw(c10.1,33.45) -0.06,66.943 20.26,66.943 cw(c10.1,33.45) 45.043,35.45 ccw(c45.1,33.45) 45.043,31.45 cw(c10.1,33.45) 20.26,-0.043 -0.06,-0.043 cw(c10.1,33.45) -24.843,31.45

## Dimensions
-24.843,31.45 to 45.043,31.45 on Board outline
20.26,66.943 to 20.26,-0.043 on Board outline